# Altium PCB Thermostat.PCBDOC (part 3 of 5) (continued)
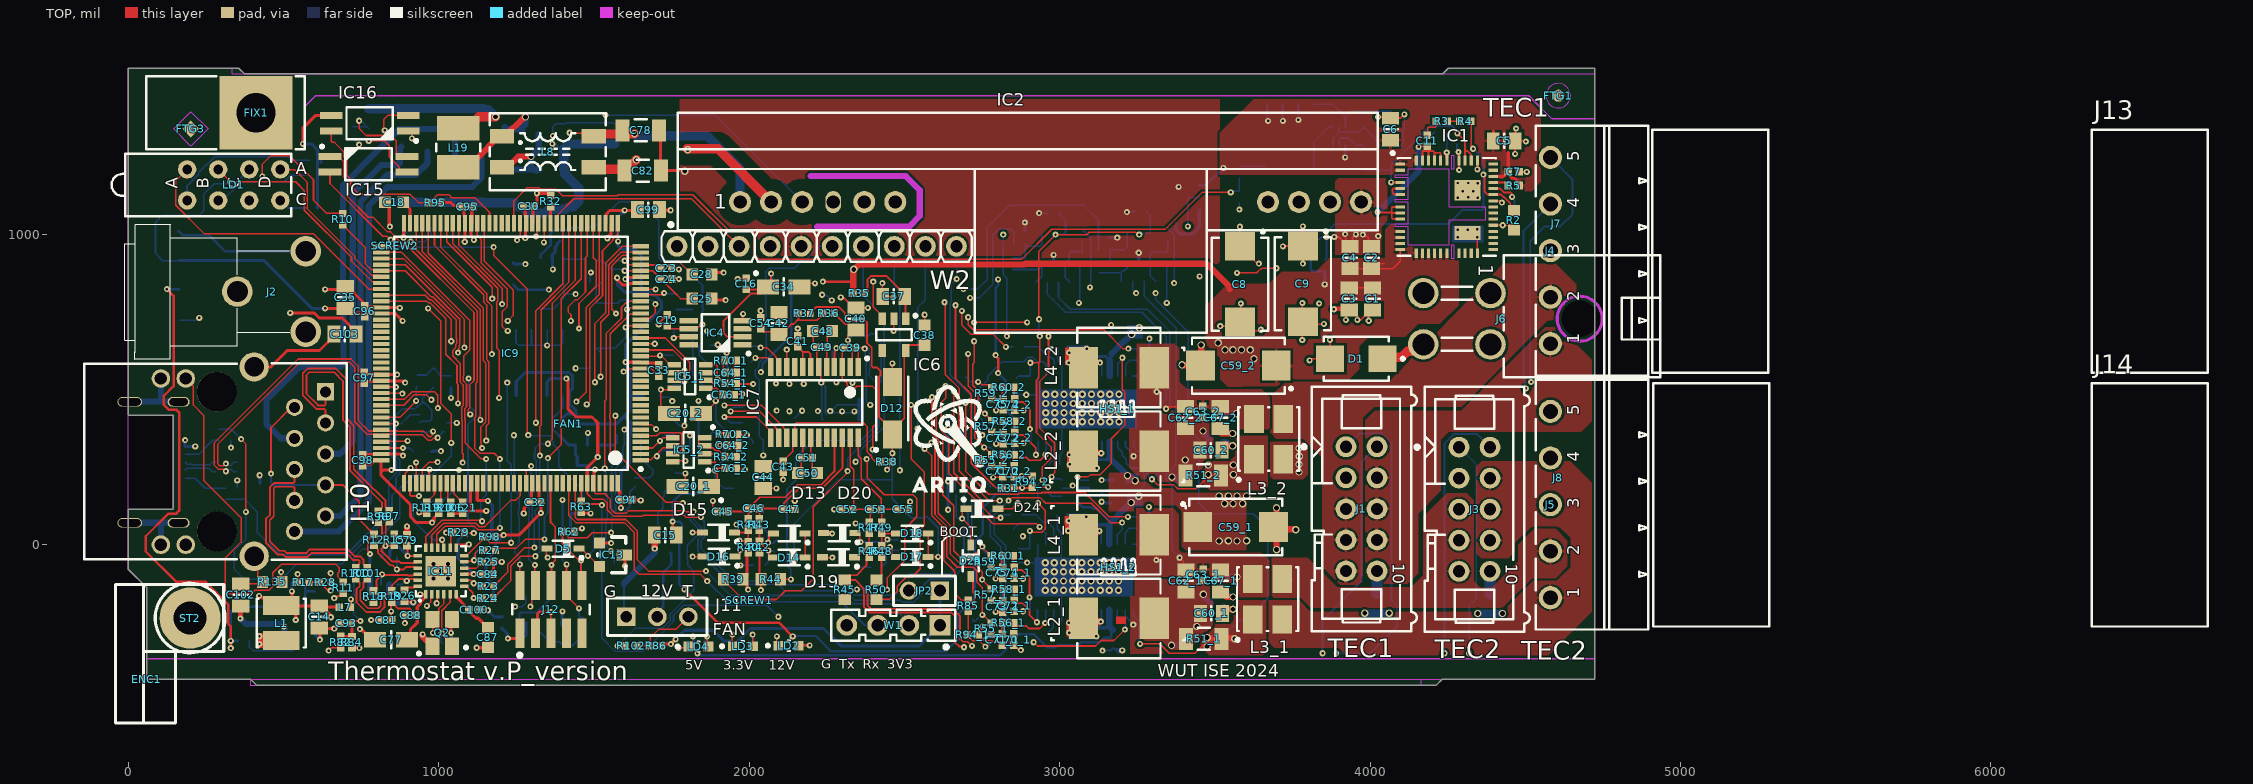
[diagram p0: TOP view]
## Nets (pads, with @x,y where several pads share a name; then routed paths per layer and width w, separated by ;. In a path a pad name is that pad's centre, name@x,y a point inside that pad or via, vN(x,y) a via of type N, cw(c..) or ccw(c..) an arc to the next point about the centre after c; other vN are vias at no path point) (continued)
I2C4_SCL: B15.1 IC9.139 IC12.1 IC17.2 IC19.6 R61.1 | length 2404.7
  TOP w5: IC9.139@1478.35,198.82 1478.35,164.74 1496.82,146.27 1531.8,146.27 1542.93,135.14 1542.93,113.06 1564.29,91.7 1655.3,91.7 1659.29,95.69 1788.79,95.69 1794.91,89.57 v1(1844.49,89.57)
  TOP w10: v1(1411.36,535.37) 1416.64,530.09 1416.64,437.11 1441.94,411.8 1493.82,411.8 1512.09,393.54 v1(1512.09,282.8) 1478.35,249.06 IC9.139@1478.35,198.82
  BOT w5: v1(1844.49,89.57) 1844.49,86.26 1855.1,75.65 1855.1,24.31 1845.1,14.31 1845.1,-11.44 1950.62,-116.96 2097.03,-116.96 2108.83,-128.75 2304.87,-128.75 2337.76,-161.64 2469.23,-161.64 2477.16,-153.72 2477.16,-132.19 2515.62,-93.73 2649.54,-93.73 2691.93,-51.34 2691.93,53.23 2704.76,66.06 2704.76,103.23 2692.09,115.9 2692.09,121.03 2691.93,121.19 IC17.2@2691.93,160.43
  BOT w10: IC19.6@1348.82,480.65 1348.82,525.05 1359.14,535.37 v1(1411.36,535.37) ; v1(1512.09,282.8) 1512.09,318.19 IC12.1@1515.75,321.85 1565.25,321.85 1572.05,328.65 1572.05,351.77 R61.1@1572.83,352.56
I2C4_SDA: B14.1 IC9.140 IC12.3 IC17.1 IC19.5 R53.1 | length 2158.9
  TOP w5: IC9.140@1498.03,198.82 1501.91,194.94 1501.91,168.63 1505.8,164.74 1534.59,164.74 1552.93,146.4 1552.93,117.2 1568.43,101.7 1603.29,101.7 1610.84,109.25 1793.31,109.25 1795.28,107.28 v1(1820.87,107.28)
  TOP w10: IC9.140@1498.03,198.82 1499.92,200.71 1499.92,237.39 1503.03,240.49 v1(1503.03,243.11)
  BOT w5: R53.1@1388.86,351.57 1388.07,351.57 1368.79,370.86 1368.79,409.43 1398.82,439.46 IC19.5@1398.82,480.65 ; v1(1820.87,107.28) 1820.87,81.69 1845.1,57.46 1845.1,28.45 1835.1,18.45 1835.1,-20.14 1941.92,-126.96 2092.89,-126.96 2113.79,-147.85 2309.83,-147.85 2341.15,-179.17 2488.47,-179.17 2493.86,-184.56 2529.53,-184.56 2555.54,-158.54 2555.54,-136.51 2581.55,-110.5 2651.63,-110.5 2706.8,-55.33 2706.8,49 2717.52,59.72 IC17.1@2717.52,160.43
  BOT w10: R53.1@1388.86,351.57 1389.65,351.57 1396.06,345.16 1396.06,344.37 1418.58,321.85 IC12.3@1440.94,321.85 1440.94,289.35 1446.09,284.2 1446.09,256.66 B14.1@1446.85,255.91 1476.38,255.91 1489.17,243.11 v1(1503.03,243.11)
ITEC0: IC9.42 R108_2.1 | length 2267.4
  TOP w5: v1(1425.47,721.46) 1426,721.98 1426,741.09 1416.64,750.45 1416.64,766.33 1440.39,790.08 1448.13,790.08 1472.66,814.61 1472.66,925.23 1478.35,930.92 IC9.42@1478.35,1035.43 ; v1(2705.24,733) 2705.24,708.94 2721.61,692.58 3142.48,692.58 3202.81,632.24 v1(3221.52,632.24)
  L2 w5: v1(1425.47,721.46) 1428.24,724.22 1582.72,724.22 1586.31,727.81 1688.18,727.81 1697.42,737.04 1876.09,737.04 1896.6,716.53 2038.71,716.53 2065.6,743.42 2145.3,743.42 2151.87,736.85 2251.58,736.85 2264.53,723.9 2692.18,723.9 2701.27,733 v1(2705.24,733)
  BOT w5: v1(3221.52,632.24) R108_2.1@3250.9,632.24
ITEC1: IC9.46 R108_1.1 | length 2943.7
  TOP w5: v1(1312.99,393.24) 1312.99,754.16 1399.61,840.77 IC9.46@1399.61,1035.43 ; v1(2696.83,457.84) 2696.83,238.15 2771.61,163.37 2866.69,163.37 2869.58,166.26 2940.68,166.26 2943.11,168.68 3080.82,168.68 3159.26,90.24 v1(3220,90.24)
  L2 w5: v1(1312.99,393.24) 1440.47,393.24 1454.45,379.27 1581.76,379.27 1596.1,393.61 1747.44,393.61 1755.02,401.2 1906.35,401.2 1913.09,394.46 2633.45,394.46 v1(2696.83,457.84)
  BOT w5: v1(3220,90.24) R108_1.1@3249.38,90.24
JRST: IC9.134
LED1: IC11.2 R17.1 R28.1 | length 484.4
  TOP w5: R17.1@582.48,-121.06 615.35,-121.06 R28.1@616.34,-120.08 643.88,-147.62 v1(651.61,-147.62) ; v1(961.66,-196.84) 974.35,-184.15 974.35,-162.46 IC11.2@977.36,-159.45
  L2 w5: v1(651.61,-147.62) 664.34,-147.62 664.41,-147.55 709.93,-193.07 785.58,-193.07 803.19,-210.67 818.04,-210.67 839.27,-231.91 867.89,-231.91 894.09,-205.71 951.39,-205.71 960.26,-196.84 v1(961.66,-196.84)
LED2: IC11.3 R11.1 | length 444.9
  TOP w6: v1(663.42,-171.75) 667.12,-171.75 674.16,-164.72 683.51,-164.72 R11.1@691.93,-156.3 ; v1(993.16,-187.98) 995.1,-186.03 995.1,-161.39 IC11.3@997.05,-159.45
  L2 w6: v1(663.42,-171.75) 695.23,-203.57 781.23,-203.57 798.84,-221.17 821.43,-243.77 873.72,-243.77 901.27,-216.21 967.52,-216.21 v1@991.92,-191.81
MaxCurrentNeg_1: C70_1.1 IC8_1.26 R56_1.2 | length 195
  TOP w6: C70_1.1@2851.87,-287.2 2851.87,-252.65 R56_1.2@2852.86,-251.65 2852.86,-252.44 2861.28,-260.86 2892.23,-260.86 2900.87,-269.5 2935.52,-269.5 v1(2953.36,-251.65)
  BOT w6: v1(2953.36,-251.65) 2955.21,-249.81 IC8_1.26@2955.21,-209.17
MaxCurrentNeg_2: C70_2.1 IC8_2.26 R56_2.2 | length 195
  TOP w6: C70_2.1@2853.39,254.8 2853.39,289.35 R56_2.2@2854.38,290.35 2854.38,289.56 2862.8,281.14 2893.75,281.14 2902.39,272.5 2937.04,272.5 v1(2954.88,290.35)
  BOT w6: v1(2954.88,290.35) 2956.72,292.19 IC8_2.26@2956.72,332.83
MaxCurrentPos_1: C72_1.1 IC8_1.27 R58_1.2 | length 187.8
  TOP w6: R58_1.2@2853.87,-143.65 2853.87,-178.5 2863.57,-188.2 2881.27,-188.2 2902.79,-209.73 2902.79,-225.32 v1(2926.93,-249.46)
  BOT w6: v1(2926.93,-249.46) 2928.27,-248.11 2928.27,-210.51 IC8_1.27@2929.61,-209.17
MaxCurrentPos_2: C72_2.1 IC8_2.27 R58_2.2 | length 192.2
  TOP w6: R58_2.2@2855.39,398.35 2855.39,363.5 2865.09,353.8 2882.79,353.8 2923.23,313.35 v1(2923.23,290.35)
  BOT w6: v1(2923.23,290.35) 2931.13,298.25 IC8_2.27@2931.13,332.83
MaxVoltage_1: C74_1.1 IC8_1.28 R60_1.2 | length 205.3
  TOP w6: R60_1.2@2851.87,-34.65 2851.87,-69.72 2863.57,-81.43 2879.3,-81.43 2902.93,-105.05 v1(2902.93,-169.06)
  BOT w6: v1(2902.93,-169.06) 2904.02,-170.15 IC8_1.28@2904.02,-209.17
MaxVoltage_2: C74_2.1 IC8_2.28 R60_2.2 | length 205.3
  TOP w6: R60_2.2@2853.39,507.35 2853.39,472.28 2865.09,460.57 2880.82,460.57 2904.45,436.95 v1(2904.45,372.94)
  BOT w6: v1(2904.45,372.94) 2905.54,371.85 IC8_2.28@2905.54,332.83
NetC10_1: C10.1 IC1.36 R1.1 R2.2 R4.1 | length 1162
  TOP w6: R4.1@4325.79,1364.72 4325.79,1281.95 v1(4331.76,1275.97) ; v1(4365.16,1192.65) 4368.29,1189.52 4368.29,1138.7 4379.04,1127.95 IC1.36@4396.66,1127.95 4422.65,1127.95 4430.25,1120.35 4432.15,1120.35 4451.55,1100.96 4451.55,1089.33 R2.2@4463.12,1077.76
  BOT w6: R1.1@3809.06,985.04 3836.98,985.04 3843.31,991.36 v1(3859.61,991.36) ; C10.1@3853.88,917.32 3859.61,923.06 v1(3859.61,991.36) ; v1(4331.76,1275.97) 4365.16,1242.58 v1(4365.16,1192.65) 4365.16,1082.25 4361.64,1078.74 4298.08,1078.74 4253.01,1033.67 3887.75,1033.67 3859.85,1005.77 3859.85,991.6 v1(3859.61,991.36)
NetC11_1: C11.1 R3.2 | length 69.7
  TOP w5: C11.1@4185.76,1321.51 4185.76,1345.22 4211.86,1345.22 R3.2@4211.86,1365.09
NetC11_2: C11.2 IC1.8 IC1.9 IC1.10 IC1.48 IC1.49 IC1.50 IC1.51 R6.2 | length 725
  TOP w5: v1(4156.32,1281.95) 4157.84,1283.46 C11.2@4184.06,1283.46 ; C11.2@4184.76,1290.8 4184.76,1272.51 4188.31,1268.97 4188.76,1268.51
  TOP w6: v1(4024.05,1071.67) 4025.2,1070.51 4069.76,1070.51 ; IC1.10@4097.44,1049.21 4074.15,1049.21 4069.76,1053.6 4069.76,1070.51 ; IC1.9@4097.44,1068.9 4071.38,1068.9 4069.76,1070.51 ; IC1.8@4097.44,1088.58 4097.36,1088.67 4069.76,1088.67 4069.76,1070.51 ; IC1.51@4168.31,1238.19 4168.31,1268.97 4186.31,1268.97 ; IC1.50@4188,1238.19 4188,1267.28 4186.31,1268.97 ; IC1.49@4207.68,1238.19 4207.68,1262.94 ; IC1.48@4227.37,1238.19 4227.37,1260.18 4224.61,1262.94 4207.68,1262.94 ; 4186.31,1268.97 4188.31,1268.97 4201.65,1268.97 4207.68,1262.94
  BOT w6: v1@4158.4,1279.88 R6.2@4207.26,1328.74
  BOT w20: v1(4024.05,1071.67) 4156.32,1203.95 v1(4156.32,1281.95)
NetC12_2: C12.2 IC1.47 R6.1 | length 91.7
  TOP w6: IC1.47@4247.05,1238.19 v1(4247.05,1263.78)
  BOT w6: R6.1@4244.27,1328.74 4247.05,1325.96 v1(4247.05,1263.78)
NetC16_1: C16.1 C34.1 IC4.2 R13.2 | length 441.3
  TOP w6: IC4.2@1978.35,670.28 1929.16,670.28 1917.57,681.87 1917.57,721.34 2005.33,809.1 2038.43,809.1 C34.1@2052.17,822.83 ; C16.1@1990.16,822.83 C34.1@2052.17,822.83 ; v1(2070.58,873.59) 2070.58,841.25 C34.1@2060.04,830.71 C34.1@2052.17,822.83
  BOT w6: v1(2070.58,873.59) 2070.58,869.88 2075.98,864.48 R13.2@2075.98,836.61
NetC17_2: C17.2 IC9.106 | length 109.2
  TOP w5: IC9.106@813.98,312.01 v1(884.84,312.01)
  BOT w5: v1(884.84,312.01) 906.5,312.01 C17.2@918.31,300.2
NetC18_2: C18.2 IC9.71 | length 70.4
  TOP w10: C18.2@885.83,1103.35 907.48,1081.69 907.48,1043.31 IC9.71@906.5,1042.32
NetC21_1: C21.1 IC9.23 Q1.1 | length 262.8
  TOP w5: v1(1602,700.24) 1602,702.36 1604.93,705.29 1650.17,705.29 IC9.23@1650.59,705.71
  BOT w5: C21.1@1521.65,568.9 1521.65,619.1 Q1.1@1507.87,632.88 1567,632.88 1602,667.88 v1(1602,700.24)
NetC22_1: C22.1 IC9.24 Q1.2 | length 355.6
  TOP w5: IC9.24@1650.59,725.39 1654.98,729.78 1679.37,729.78 1697.83,748.25 v1(1697.83,775.32)
  BOT w5: C22.1@1521.65,844.49 1507.87,830.71 Q1.2@1507.87,778.55 1576.84,778.55 1586.61,788.32 1686.09,788.32 1695.87,778.55 1695.87,777.28 v1(1697.83,775.32)
NetC23_2: C23.2 C28.2 IC9.33 L5.1 | length 278
  TOP w5: v1(1598.43,914.98) 1610.84,902.56 IC9.33@1650.59,902.56 1651.71,901.44 1705.85,901.44 C23.2@1715.55,891.73 1735.26,911.44 1775.57,911.44 C28.2@1815.94,871.06
  BOT w5: L5.1@1572.83,915.94 1573.8,914.98 v1(1598.43,914.98)
NetC24_2: C24.2 C25.2 IC9.32 R71.1 | length 362.7
  TOP w5: v1(1598.43,882.87) IC9.32@1650.59,882.87 1688.98,882.87 C24.2@1715.55,856.3 1758.41,813.44 1778.54,793.31 C25.2@1815.94,793.31
  BOT w5: R71.1@1506.04,920.65 1511.73,914.96 1527.36,914.96 1536.67,905.65 1537.07,905.65 1555.33,887.39 1592.93,887.39 1597.44,882.87 v1(1598.43,882.87)
NetC27_2: C27.2 D26.2 R104.1 T4.1 | length 206.8
  BOT w5: C27.2@1631.85,215.98 1678.3,215.98 1688.6,226.28 T4.1@1688.6,233.7 1688.6,241.58 1650.35,279.82 R104.1@1650.35,300.2 1650.35,342.96 D26.2@1659.71,352.31
NetC36_2: C36.2 IC11.4 Q2.3 | length 182
  TOP w5: v1(981.3,-283.46) 981.3,-242.13 Q2.3@979.33,-240.16 999.47,-220.02 999.47,-206.2 1016.73,-188.93 IC11.4@1016.73,-159.45
  BOT w5: v1(981.3,-283.46) 989.17,-275.59 C36.2@989.17,-245.08
NetC37_1: C37.1 IC6.1 R35.2 | length 277
  TOP w6: R35.2@2372.2,810.2 2380.62,818.62 2380.62,854.1 2392.26,865.75 2442.52,865.75 2501.28,806.98 C37.1@2501.28,800.09 2503.79,797.59 IC6.1@2503.79,728.25
NetC45_1: C45.1 C46.1 IC7.21 R41.2 | length 537.2
  TOP w6: C45.1@1932.44,107.97 1988.42,107.97 C46.1@1997.62,117.17 ; R41.2@1996.9,84.01 1997.62,84.74 C46.1@1997.62,117.17 ; IC7.21@2274.67,344.7 2274.67,236.61 2231.46,193.4 2156.16,193.4 2115.96,153.2 2033.36,153.2 2012.85,132.69 2012.85,132.4 C46.1@1997.62,117.17
NetC46_2: C46.2 C47.2 IC7.22 R43.2 | length 463.8
  TOP w6: R43.2@2032.65,84.01 2032.65,116.77 C46.2@2033.05,117.17 C47.2@2108.43,117.17 ; C47.2@2111.27,114.33 C47.2@2108.43,117.17 ; IC7.22@2300.26,344.7 2300.26,246.64 2236.01,182.4 2160.71,182.4 2111.63,133.32 2111.63,120.37 C47.2@2108.43,117.17
NetC48_2: C48.2 C49.1 IC7.5 | length 123.1
  TOP w5: IC7.5@2249.08,573.05 2249.08,636.48 2251.44,638.84 2251.44,672.27 C48.2@2267.64,688.47
NetC50_2: C50.2 C51.1 IC7.18 | length 122.5
  TOP w5: IC7.18@2197.9,344.7 2197.9,280.3 2203.24,274.95 2203.24,247.29 C50.2@2219.44,231.09
NetC52_1: C52.1 C53.1 IC7.23 R47.2 | length 329.7
  TOP w5: IC7.23@2325.85,344.7 2325.66,344.51 2325.66,252.98 2336.93,241.71 2336.93,113.99 C53.1@2389.65,113.99 2389.65,76.34 R47.2@2386.91,73.6
NetC53_2: C53.2 C55.2 IC7.24 R49.2 | length 354.3
  TOP w5: IC7.24@2351.44,344.7 2351.44,286.81 2360.66,277.59 2360.66,212.86 2425.08,148.44 C53.2@2425.08,113.99 C55.2@2479.14,113.99 ; R49.2@2426.44,73.6 C53.2@2426.44,112.63
NetC60_1_1: C60_1.1 C61_1.2 C62_1.2 C63_1.1 IC8_1.16 L2_1.2 R51_1.2 R52_1.2 | length 185.4
  BOT w5: R52_1.2@3385.82,-275.38 3405.96,-295.52 R52_1.2@3405.96,-302.59
  BOT w6: IC8_1.16@3211.11,-209.17 3211.11,-230.06 3237,-255.94 v1(3237,-256.76)
  BOT w20: v3(3360.53,-323.92) 3384.63,-323.92 R52_1.2@3405.96,-302.59 ; v3(3463.05,-159.56) 3463.05,-163.44 C61_1.2@3486.67,-187.06
  other v3: 3442.1,-262.79
NetC60_2_1: C60_2.1 C61_2.2 C62_2.2 C63_2.1 IC8_2.16 L2_2.2 R51_2.2 R52_2.2 | length 199.7
  BOT w6: IC8_2.16@3212.63,332.83 3212.63,316.2 v1@3238.18,290.64 ; v1(3238.18,285.43) v1@3238.18,290.64 ; v1@3238.18,291.11 v1@3238.18,290.64
  BOT w20: v3(3362.05,218.08) R52_2.2@3386.15,218.08 ; R52_2.2@3383.2,202.33 R52_2.2@3404.53,223.66 3404.53,273.29 v3(3404.49,273.33) ; v3(3461.61,366.69) 3461.61,362.81 C61_2.2@3485.24,339.19
NetC62_1_1: C62_1.1 C63_1.2 C66_1.1 C67_1.2 IC8_1.14 L3_1.4 L4_1.2 R78_1.1 | length 1242.3
  TOP w5: v1(3386.15,-41.45) 3400.28,-55.58 3400.28,-74.64 C62_1.1@3406.46,-80.82
  TOP w6: v1(3311.36,-48.89) 3311.36,24.82 L4_1.2@3315.41,28.87
  BOT w5: R78_1.1@3271.85,849.41 3271.85,802.35 3375.05,699.15 3375.05,442.37 3374.39,441.71 3374.39,257.73 3342.74,226.08 3342.74,210.08 3362.05,190.77 3362.05,-17.35 v1(3386.15,-41.45)
  BOT w6: IC8_1.14@3236.7,1.86 3285.88,1.86 3311.36,-23.62 v1(3311.36,-48.89)
  BOT w20: C66_1.1@3531.95,-103.02 3570.68,-103.02 v3(3571.32,-103.65)
NetC62_2_1: C62_2.1 C63_2.2 C66_2.1 C67_2.2 IC8_2.14 L3_2.4 L4_2.2 R78_2.1 | length 1001.4
  TOP w5: v1(3342.74,438.35) 3345.93,438.35 3353.01,445.43 C62_2.1@3405.02,445.43
  TOP w6: v1(3312.88,493.11) 3312.88,566.82 L4_2.2@3316.93,570.87
  BOT w5: R78_2.1@2996.26,845.47 2996.26,797.14 3034.37,759.02 3283.29,759.02 3355.05,687.26 3355.05,450.65 v1(3342.74,438.35)
  BOT w6: IC8_2.14@3238.22,543.86 3287.4,543.86 3312.88,518.38 v1(3312.88,493.11)
  BOT w20: C66_2.1@3530.51,423.23 3569.25,423.23 v3(3569.88,422.6)
NetC65_2: C65.2 IC11.5 Q2.1 | length 227.3
  TOP w5: IC11.5@1036.42,-159.45 1036.42,-185.26 1009.47,-212.21 v1(1009.47,-284.45) 1012.28,-287.26 1012.28,-291.81 1042.32,-321.85 Q2.1@1042.32,-326.77
  BOT w5: v1(1009.47,-284.45) 1007.67,-286.25 C65.2@1007.67,-312.78 C65.2@1012.02,-317.14
NetC68_1_2: C68_1.2 IC8_1.25 | length 80.7
  BOT w5: C68_1.2@2963.08,-282.5 2979.35,-266.23 2979.35,-253.2 2980.8,-251.76
  BOT w6: 2980.8,-251.76 IC8_1.25@2980.8,-209.17
NetC68_2_2: C68_2.2 IC8_2.25 | length 81.5
  BOT w5: C68_2.2@2964.6,259.5 2966.05,259.5 2980.33,273.77 2980.33,276.8 2982.32,278.78 2982.32,290.24
  BOT w6: 2982.32,290.24 IC8_2.25@2982.32,332.83
NetC69_1_2: C69_1.2 IC8_1.4 R107_1.2 | length 170.1
  BOT w5: R107_1.2@2879.92,97.18 2922.77,97.18 C69_1.2@2923.71,96.24 2948,71.95 2961.47,71.95 2980.8,52.63 IC8_1.4@2980.8,1.86
NetC69_2_2: C69_2.2 IC8_2.4 R107_2.2 | length 162.3
  BOT w5: R107_2.2@2887.31,637.83 C69_2.2@2930.17,637.83 ; C69_2.2@2931.1,636.9 2963.65,604.35 2972.6,604.35 2982.32,594.63 IC8_2.4@2982.32,543.86
NetC71_1_1: C71_1.1 R55_1.2 R56_1.1 | length 71.9
  TOP w6: R55_1.2@2779.36,-288.16 2813.91,-288.16 C71_1.1@2814.86,-287.2 2814.86,-252.65 R56_1.1@2815.85,-251.65
NetC71_2_1: C71_2.1 R55_2.2 R56_2.1 | length 71.9
  TOP w6: R55_2.2@2780.88,253.84 2815.43,253.84 C71_2.1@2816.38,254.8 2816.38,289.35 R56_2.1@2817.37,290.35
NetC73_1_1: C73_1.1 R57_1.2 R58_1.1 | length 74.5
  TOP w6: R57_1.2@2780.36,-178.65 2782.68,-180.97 C73_1.1@2816.36,-180.97 2816.86,-180.47 R58_1.1@2816.86,-143.65
NetC73_2_1: C73_2.1 R57_2.2 R58_2.1 | length 74.5
  TOP w6: R57_2.2@2781.88,363.35 2784.2,361.03 C73_2.1@2817.88,361.03 2818.38,361.53 R58_2.1@2818.38,398.35
NetC75_1_1: C75_1.1 R59_1.2 R60_1.1 | length 75.6
  TOP w6: R59_1.2@2779.36,-72.22 2779.93,-71.65 C75_1.1@2816.86,-71.65 2814.86,-69.65 R60_1.1@2814.86,-34.65
NetC75_2_1: C75_2.1 R59_2.2 R60_2.1 | length 75.6
  TOP w6: R59_2.2@2780.88,469.78 2781.45,470.35 C75_2.1@2818.38,470.35 2816.38,472.35 R60_2.1@2816.38,507.35
NetC78_2: C78.2 IC2.1 IC16.1 L8.4 | length 1264.8
  TOP w5: IC16.1@901.57,1333.27 904.2,1333.27 913.51,1323.96 v1(913.51,1309.05) ; v1@1419.29,1329.53 v1(1421.26,1327.56) 1423.23,1325.59 L8.4@1499.02,1325.59
  TOP w30: L8.4@1499.02,1323.59 v3@1630.3,1323.59
  L2 w5: v1(913.51,1309.05) 1261.52,1309.05 1294.57,1342.1 1406.72,1342.1 v1(1421.26,1327.56)
  BOT w30: v3(1630.3,1324.59) 1637.4,1317.49 1864.1,1317.49 1970.58,1211.01 IC2.1@1970.58,1104.33
NetC82_2: C82.2 IC2.2 L8.3 | length 667.5
  TOP w30: L8.3@1499.02,1209.59 1605.78,1209.59 v3(1636.34,1240.16) ; v3@1799.61,1275.57 1899.34,1275.57 IC2.2@2070.58,1104.33
  L2 w30: v3(1636.34,1240.16) 1735.15,1240.16 1765,1270 v3@1799.61,1270
  other v3: 1802.17,1272.8
NetC83_1_2: C83_1.2 IC8_1.13 R108_1.2 | length 119.5
  BOT w5: IC8_1.13@3211.11,1.86 3211.11,39.36 3224.99,53.24 R108_1.2@3249.38,53.24 C83_1.2@3287.4,53.24
NetC83_2_2: C83_2.2 IC8_2.13 R108_2.2 | length 119.5
  BOT w5: IC8_2.13@3212.63,543.86 3212.63,581.36 3226.51,595.24 R108_2.2@3250.9,595.24 C83_2.2@3288.92,595.24
NetC86_1: C86.1 IC7.4 | length 106.1
  TOP w5: IC7.4@2271.33,569.71 IC7.4@2274.67,573.05 2274.67,620.56 2277.81,623.7 2277.81,631.1 v1(2280.62,633.91)
  BOT w5: C86.1@2266.79,601.59 2266.79,620.08 v1(2280.62,633.91)
NetC87_2: C87.2 C100.2 IC11.6 | length 154.4
  TOP w10: IC11.6@1056.1,-159.45 1056.1,-167.52 1089.25,-200.67 1089.25,-202.44 1103.66,-216.85 1103.66,-219.97 1120.19,-236.5 1127.25,-236.5 1157.48,-266.73 C87.2@1158.46,-266.73
NetC91_2: C91.2 R14.2 | length 52.6
  BOT w6: R14.2@1765.54,757.95 C91.2@1818.11,757.95
NetC102_1: C102.1 C103.1 J10.S1 J10.S2 R135.1 | length 1100.1
  TOP w5: C102.1@362.2,-125.98 429.13,-125.98 432.09,-123.03 416.87,-107.81 416.87,-48.17 J10.S2@405.51,-36.81
  TOP w10: J10.S1@405.51,573.03 458.68,573.03 511.5,625.85 616.01,625.85 662.4,672.24 C103.1@662.4,679.13
  L2 w10: J10.S2@405.51,-36.81 406.3,-36.03 406.3,212.77 403.01,216.05 403.01,224.13 385.67,241.47 385.67,301.33 385.97,301.63 385.97,343.11 405.51,362.65 J10.S1@405.51,573.03
NetC104_1: C104.1 C105.1 D13.2 D15.1 R40.2 R41.1 | length 340.7
  TOP w6: D15.1@1952.68,39.78 1989.67,39.78 R41.1@1996.9,47.01 R40.2@1996.9,10.75 1994.4,13.24 v1(1969,13.24) ; v1(2061,7.24) 2063.42,9.66 2063.42,29.75 2070.26,36.59 D13.2@2078.13,36.59
  BOT w6: v1(1969,13.24) 1988,13.24 1993,8.24 v1@2061,8.24 ; C104.1@2037.86,59.72 2061,36.59 v1(2061,7.24) 2063.17,5.07 2078.18,5.07 C105.1@2087.39,14.28
NetC105_2: C105.2 C106.2 D14.2 D16.1 R42.2 R43.1 | length 300.3
  TOP w5: D16.1@1953.61,-37.67 1961.49,-37.67 1968.83,-30.33 1968.83,-17.93 v1(1969.85,-16.9) ; v1(2062,-17.76) 2062.92,-18.67 2062.92,-33.5 2070.26,-40.84 D14.2@2078.13,-40.84
  TOP w6: R43.1@2032.65,47.01 2032.65,11.97 R42.2@2033.05,11.56 2033.84,11.56 2042.26,3.14 2042.26,0.75 2053.61,-10.6
  BOT w5: v1(1969.85,-16.9) v1@1969.85,-12.21 ; C106.2@2050.77,-65.99 2062,-54.76 v1(2062,-17.76) 1973,-17.76 1971,-15.76 1972.2,-14.56 v1@1969.85,-12.21 ; 2072.27,-21.16 2079.83,-21.16 C105.2@2080.83,-22.16 ; v1@1969.85,-12.21 1969.08,-11.44 1969.85,-10.67 v1@1969.85,-12.21
NetC107_1: C107.1 C110.1 D17.2 D19.1 R46.2 R47.1 | length 349.5
  TOP w5: D19.1@2339.18,-39.81 2347.06,-39.81 2361.19,-25.68 2361.19,-18.57 v1(2364,-15.76) 2367.97,-15.76 2372.01,-11.72 2377.99,-11.72 R46.2@2386.91,-2.8 R47.1@2386.91,36.59 ; v1(2453.49,-7.44) 2453.49,-11.41 2458.51,-16.43 2458.51,-31.57 2465.85,-38.91 D17.2@2473.72,-38.91
  BOT w5: v1(2364,-15.76) 2366,-15.76 2374.32,-7.44 v1(2453.49,-7.44) ; C107.1@2427.51,-70.37 2441.29,-56.59 2441.29,-19.64 v1(2453.49,-7.44) ; C110.1@2480.66,-18.53 2479.97,-17.84 2463.88,-17.84 v1(2453.49,-7.44)
NetC109_2: C109.2 D21.5 FB1.1 R73.2 | length 1313.1
  BOT w5: FB1.1@313.56,146.12 314.94,147.5 C109.2@350.97,147.5 374.21,147.5 415.49,106.22 415.49,39.72 487.48,-32.26 702.13,-32.26 839.35,104.96 839.35,207.45 864.82,232.92 864.82,268.59 844.9,288.51 844.9,399.66 884.22,438.98 923.34,438.98 930.65,446.28 934.4,446.28 946.59,458.47 ; D21.5@938.96,393.11 944.34,398.48 970.46,398.48 977.36,405.39 977.36,434.25 953.14,458.47 946.59,458.47 ; R73.2@983.27,505.91 981.3,505.91 946.59,471.19 946.59,458.47
NetC110_2: C110.2 C111.2 D18.2 D20.1 R48.2 R49.1 | length 337.4
  TOP w5: D20.1@2341.18,37.55 2349.06,37.55 2356.4,30.21 2356.4,11.85 v1(2359,9.24) ; R48.2@2426.44,-2.8 R49.1@2426.44,35.8 ; v1(2445,17.24) 2445,18.82 2428.02,35.8 R49.1@2426.44,35.8 ; D18.2@2473.9,36.59 R49.1@2426.44,36.59 R49.1@2426.44,35.8
  BOT w5: v1(2359,9.24) 2437,9.24 v1(2445,17.24) ; C111.2@2421.68,65.51 2435.46,51.73 2435.46,27.52 2445,17.98 v1(2445,17.24) ; C110.2@2480.66,16.91 2445.34,16.91 v1(2445,17.24)
NetC156_1: C156.1 L8.2 R166.2 T7.3 | length 360.3
  TOP w20: L8.2@1203.74,1216.54 1221.74,1216.54 1255.99,1250.79 v3(1297.24,1250.79)
  BOT w20: C156.1@1222.44,1218.15 1231.15,1209.45 R166.2@1310.24,1209.45 ; R166.2@1314.96,1204.72 R166.2@1310.24,1209.45 ; T7.3@1321.87,1322.83 1321.87,1275.42 v3(1297.24,1250.79) 1297.24,1214.21 1293.66,1210.63 1309.06,1210.63 R166.2@1310.24,1209.45 ; R166.2@1323.82,1209.45 R166.2@1310.24,1209.45
NetC156_2: C156.2 L8.1 L19.2 | length 409.6
  TOP w20: L19.2@1048.39,1231.14 L19.2@1062.99,1216.54 1092.36,1245.91 1124.06,1245.91 1193.74,1315.59 1203.74,1315.59 1212.39,1315.59 1274.75,1377.95 v3(1279.53,1377.95)
  BOT w20: C156.2@1212.6,1346.11 C156.2@1222.44,1336.26 1224.72,1338.54 1269.65,1338.54 1269.65,1344.49 1279.53,1354.37 v3(1279.53,1377.95)
NetFB1_2: FB1.2 J9.1 | length 143.8
  BOT w5: J9.1@183.07,214.57 215.55,214.57 247.78,182.34 FB1.2@313.56,182.34
NetFB2_2: FB2.2 J9.4 | length 128.4
  BOT w5: J9.4@183.07,291.34 226.57,291.34 271.92,336.69 FB2.2@292.65,336.69
NetIC1_4: IC1.4 IC1.43 IC1.44 TP2.1 | length 599.9
  TOP w6: v1(4067.76,1167.51) 4067.95,1167.32 IC1.4@4097.44,1167.32 ; v1(4281.13,1325.96) 4306.11,1300.98 4306.11,1266.85 ; IC1.44@4306.11,1238.19 4306.11,1266.85 ; IC1.43@4325.79,1238.19 4325.79,1258.13 4324.37,1258.13 4313.99,1268.51 4307.76,1268.51 4306.11,1266.85
  BOT w6: TP2.1@3977.02,1206.51 4066.94,1206.51 4067.94,1207.51 ; v1(4067.76,1167.51) 4067.94,1167.69 4067.94,1207.51 ; v1(4281.13,1325.96) 4281.13,1334.15 4266.33,1348.94 4192.53,1348.94 4067.94,1224.35 4067.94,1207.51
NetIC1_5: IC1.5 IC1.6 | length 65.9
  TOP w6: IC1.6@4097.44,1127.95 4077.32,1127.95 4071.85,1133.42 4071.85,1144.6 4074.89,1147.64 IC1.5@4097.44,1147.64
NetIC1_37: IC1.37 TP1.1 | length 124.7
  TOP w6: IC1.37@4396.66,1147.64 4418.52,1147.64 4427.45,1138.71 4431.21,1134.95 4452.32,1134.95 4459.46,1127.82 4459.46,1122.85 v1(4457.52,1120.91)
  BOT w6: v1(4457.52,1120.91) 4457.52,1117.21 4465.53,1109.2 4465.53,1089.39 TP1.1@4473.43,1081.5
NetIC1_38: IC1.38 R5.1 | length 52.3
  TOP w6: IC1.38@4396.66,1167.32 4434.27,1167.32 R5.1@4444.08,1157.51 R5.1@4444.08,1156.72
NetIC2_3: IC2.3 IC16.2 | length 1592.3
  TOP w5: v1(826.09,1335.07) 822.1,1339.06 822.1,1369.28 836.08,1383.27 IC16.2@901.57,1383.27
  L2 w5: v1(826.09,1335.07) 826.14,1335.02 1273.34,1335.02 1290.43,1352.1 1410.86,1352.1 1418.06,1344.9 1428.44,1344.9 1431.24,1342.1 1495.38,1342.1 v1(1537.59,1384.31)
  BOT w5: v1(1537.59,1384.31) 1890.6,1384.31 2149.07,1125.85 2161.28,1125.85 IC2.3@2161.42,1125.98
NetIC3_1: IC3.1 R105.2 | length 211.4
  BOT w5: R105.2@389.63,-308.94 389.63,-328.96 401.38,-340.71 531.34,-340.71 539.38,-332.68 IC3.1@539.38,-299.21
NetIC3_3: IC3.3 L1.1 | length 101.5
  BOT w8: v1(422.62,-319.47) 456.76,-319.47 464.57,-311.66 IC3.3@464.57,-299.21 459.85,-294.49 v1(422.62,-294.49)
NetIC3_6: IC3.6 R7.1 R8.2 | length 130
  BOT w8: IC3.6@539.38,-198.82 557.87,-198.82 569.33,-187.36 569.33,-150.04 ; R7.1@563.78,-123.54 569.33,-129.08 569.33,-150.04 ; R8.2@598.49,-150.04 569.33,-150.04
NetIC4_7: IC4.7 R14.1 | length 87.1
  TOP w6: v1(1756.92,666.34) 1760.63,666.34 1764.57,670.28 IC4.7@1805.12,670.28
  BOT w6: v1(1756.92,666.34) 1756.92,694.96 R14.1@1765.54,694.96
NetIC5_1_3: IC5_1.3 IC5_1.4 R54_1.2 | length 145.9
  TOP w5: IC5_1.3@1860.24,555.12 1896.63,555.12 ; IC5_1.4@1860.24,580.71 1892.18,580.71 1896.63,576.26 1896.63,555.12 ; R54_1.2@1922.32,520.47 1922.32,521.26 1913.4,530.18 1912.21,530.18 1910.66,531.73 1903.51,531.73 1896.63,538.6 1896.63,555.12
  other v1: 1897.73,533.51
NetIC5_2_3: IC5_2.3 IC5_2.4 R54_2.2 | length 137.7
  TOP w5: IC5_2.4@1856.3,344.49 1843.5,344.49 1837.15,338.13 1837.15,325.26 1843.5,318.9 IC5_2.3@1856.3,318.9 1862.66,312.54 1882.55,312.54 1890.37,304.72 1897,304.72 1897.82,303.9 1902.4,303.9 1912.82,293.49 1913.6,293.49 1922.52,284.57 R54_2.2@1922.52,283.78
NetIC8_1_12: IC8_1.12 IC18_1.4 | length 952.9
  TOP w5: v1(2835.19,142.24) 2836.42,142.24 2845.46,151.28 2937.97,151.28 2955.39,133.86 3101.51,133.86 3163.73,71.64 v1(3201,71.64)
  BOT w5: v1(2835.19,142.24) 2789.89,96.95 2789.89,33.34 2826.28,-3.04 2826.28,-231.81 2852.36,-257.9 2874.52,-257.9 IC18_1.4@2879.62,-262.99 ; IC8_1.12@3185.52,1.86 3185.52,32.76 3201,48.24 v1(3201,71.64)
NetIC8_1_15: IC8_1.15 L3_1.1 R51_1.1 R52_1.1 R76_1.1 | length 2059.1
  TOP w5: v1(3259.02,-318.89) 3322.63,-318.89 3352.76,-349.02 3436.08,-349.02 3467.27,-317.83 3521.59,-317.83 R51_1.1@3521.59,-302.59
  L2 w5: v1(3246.53,811.02) v1(3308.86,811.02)
  BOT w5: R76_1.1@3235.04,849.41 3235.04,821.41 v1@3245.98,810.47 ; IC8_1.15@3236.7,-209.17 3236.7,-226.57 3254.85,-244.72 3254.85,-322.7 3259.02,-326.86 v1(3259.02,-318.89) ; v1(3308.86,811.02) 3308.86,790.86 3413.67,686.05 3413.67,571.75 3413.02,571.11 3413.02,374.24 3448.12,339.15 3448.12,133.88 3481.76,100.24 3623.28,100.24 3670.28,53.25 3670.28,-172.04 3598.57,-243.75 3578.98,-243.75 3547.34,-275.38 3540.27,-275.38 3520.13,-295.52 R52_1.1@3520.13,-302.59
  BOT w20: v3(3475,-298.76) 3478.84,-302.59 R52_1.1@3520.13,-302.59 v3(3564,-302.59)
  other v3: 3475,-327.28
NetIC8_1_17: IC8_1.17 IC18_1.6 | length 434.4
  TOP w5: v1(2916,-313.76) 2916.33,-313.76 2928.43,-325.85 3115.43,-325.85 3133.21,-308.07 3174.86,-308.07 v1(3210.3,-272.63)
  BOT w5: IC18_1.6@2879.62,-314.17 2880.03,-313.76 2914,-313.76 v1@2916,-311.76 ; IC8_1.17@3185.52,-209.17 3185.52,-229.24 3212.63,-256.35 3212.63,-270.3 v1(3210.3,-272.63)